# Altium PCB Audio-Beamformer_V1.0.PcbDoc (part 1 of 11)
Units mm, origin at the board's own origin, x right, y up, seen from the top; angles counter-clockwise.
Board outline 300 x 376 mm, 2 copper layers (Top Layer, Bottom Layer), stack 1.548 mm thick; 1137 components, 629 nets, 3569 pads, 2808 vias.
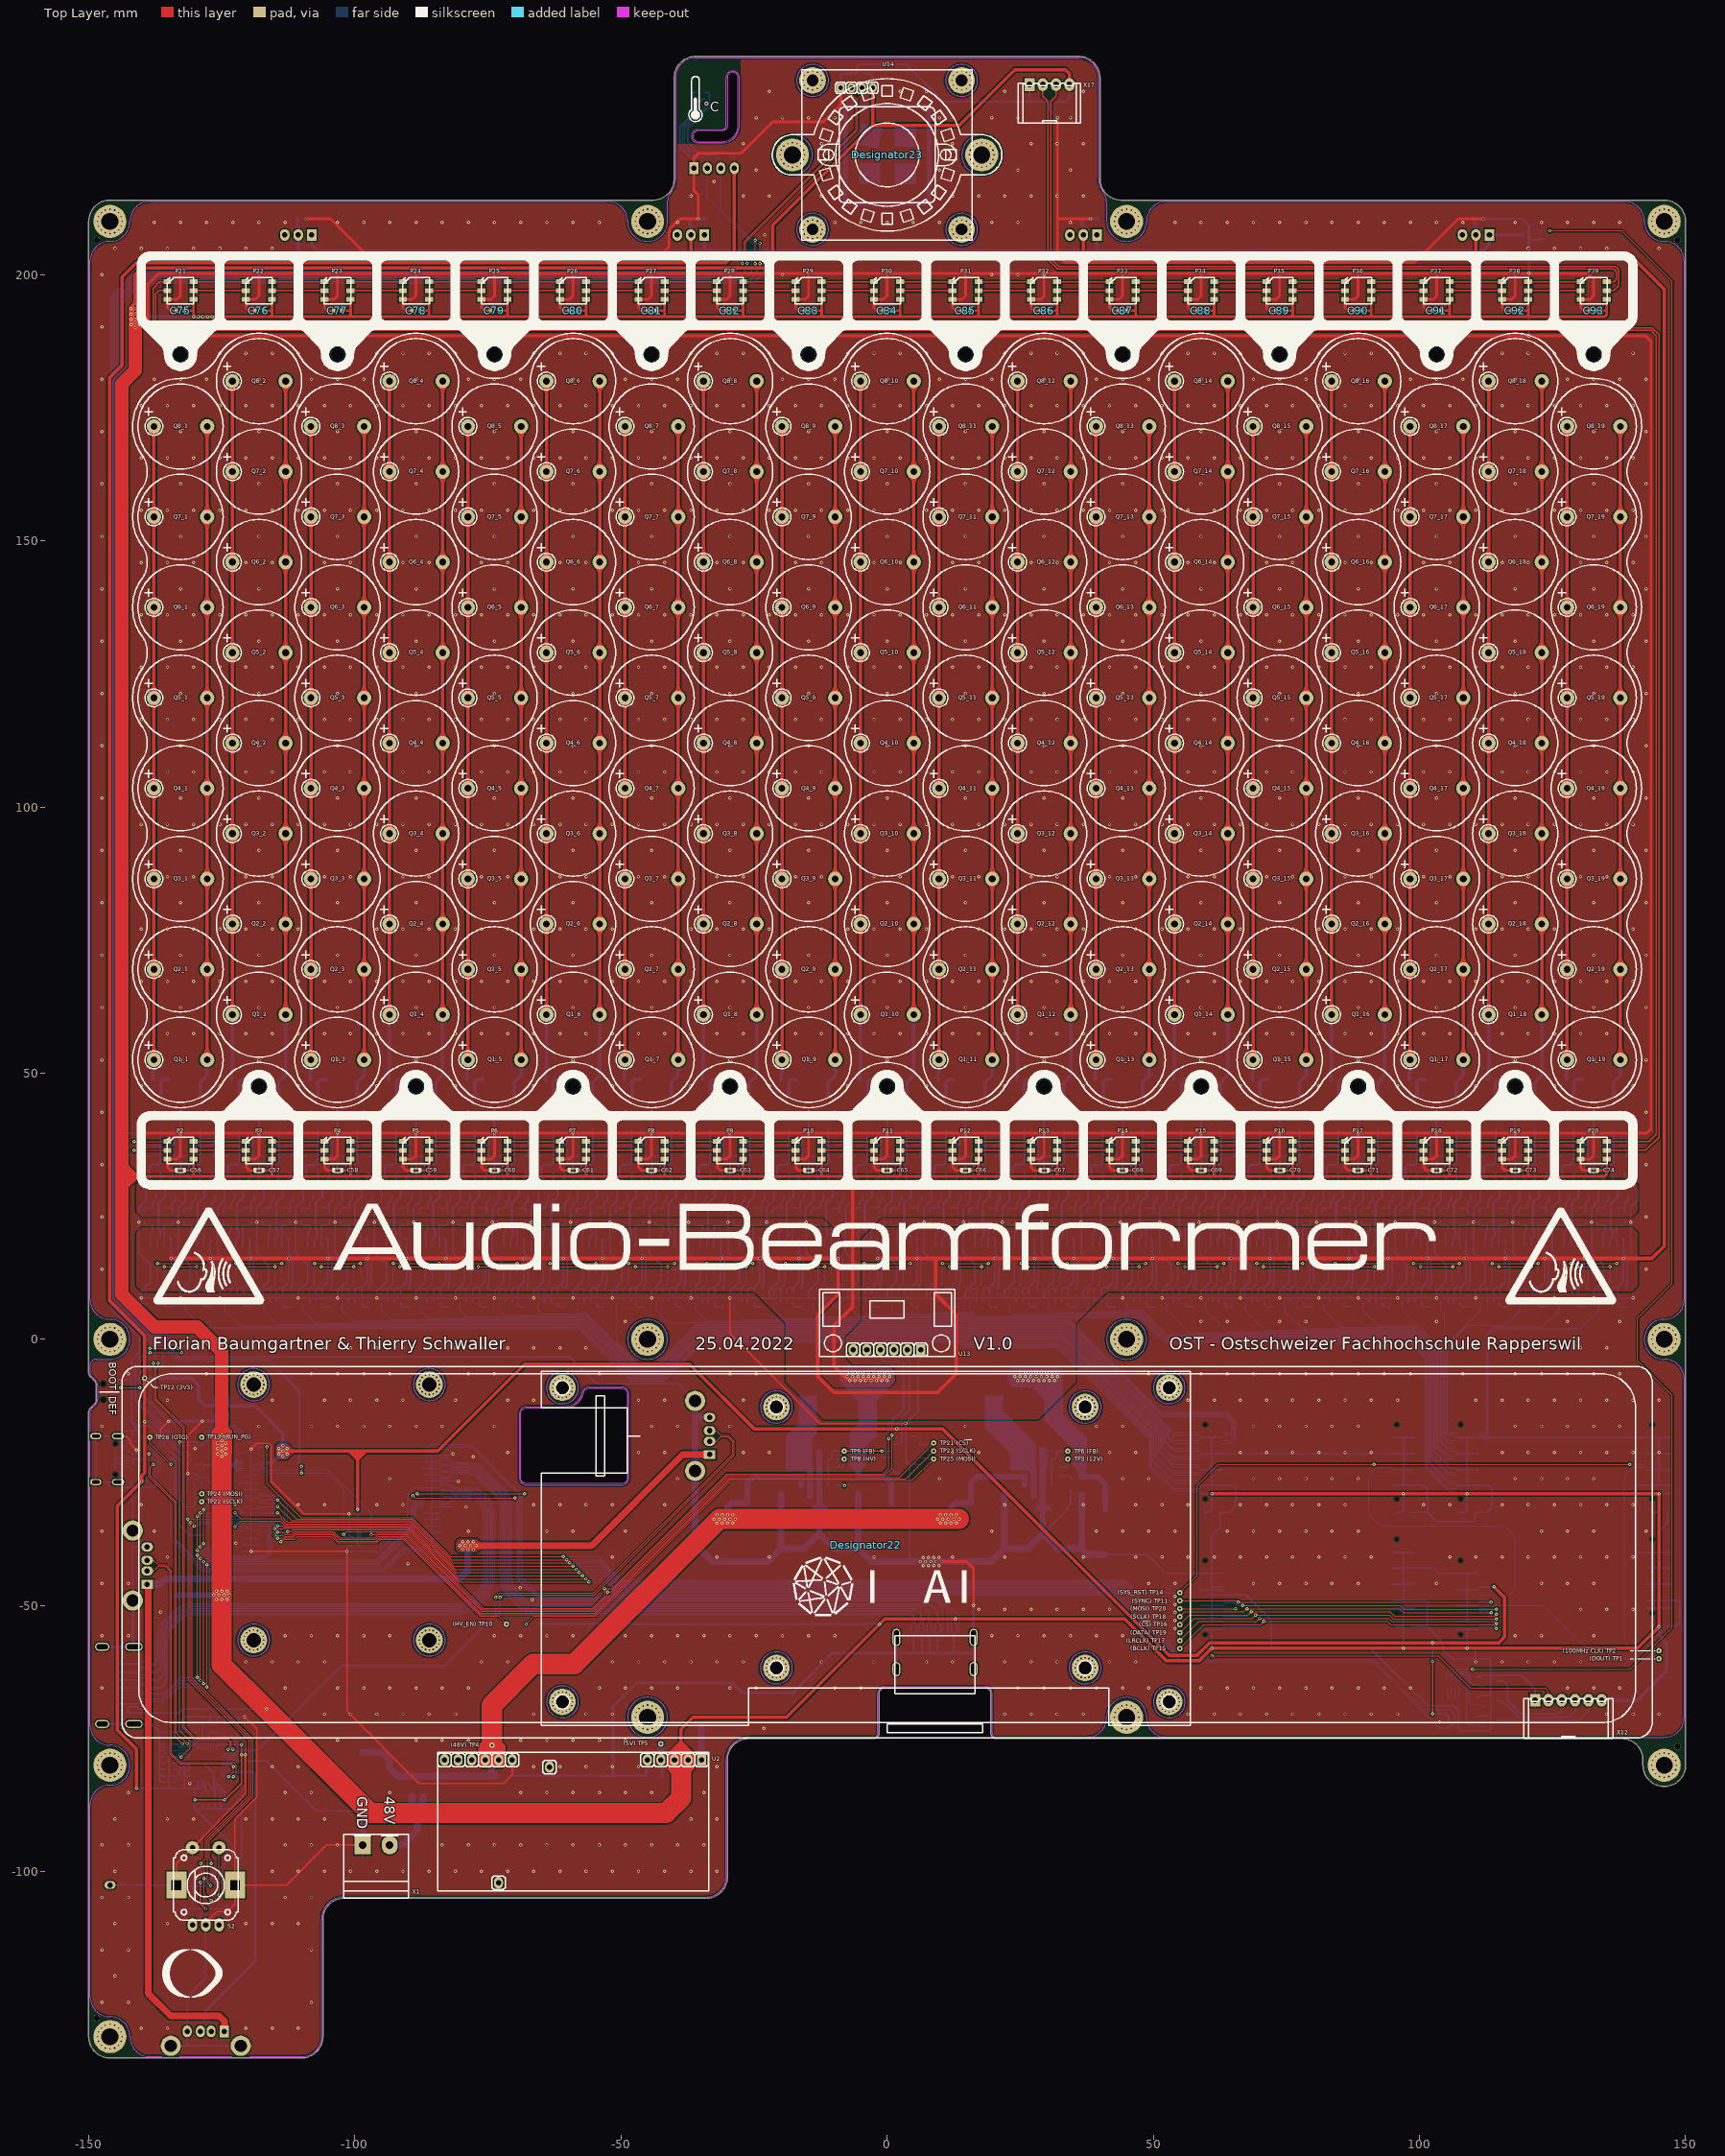
[diagram p0: Top Layer view]
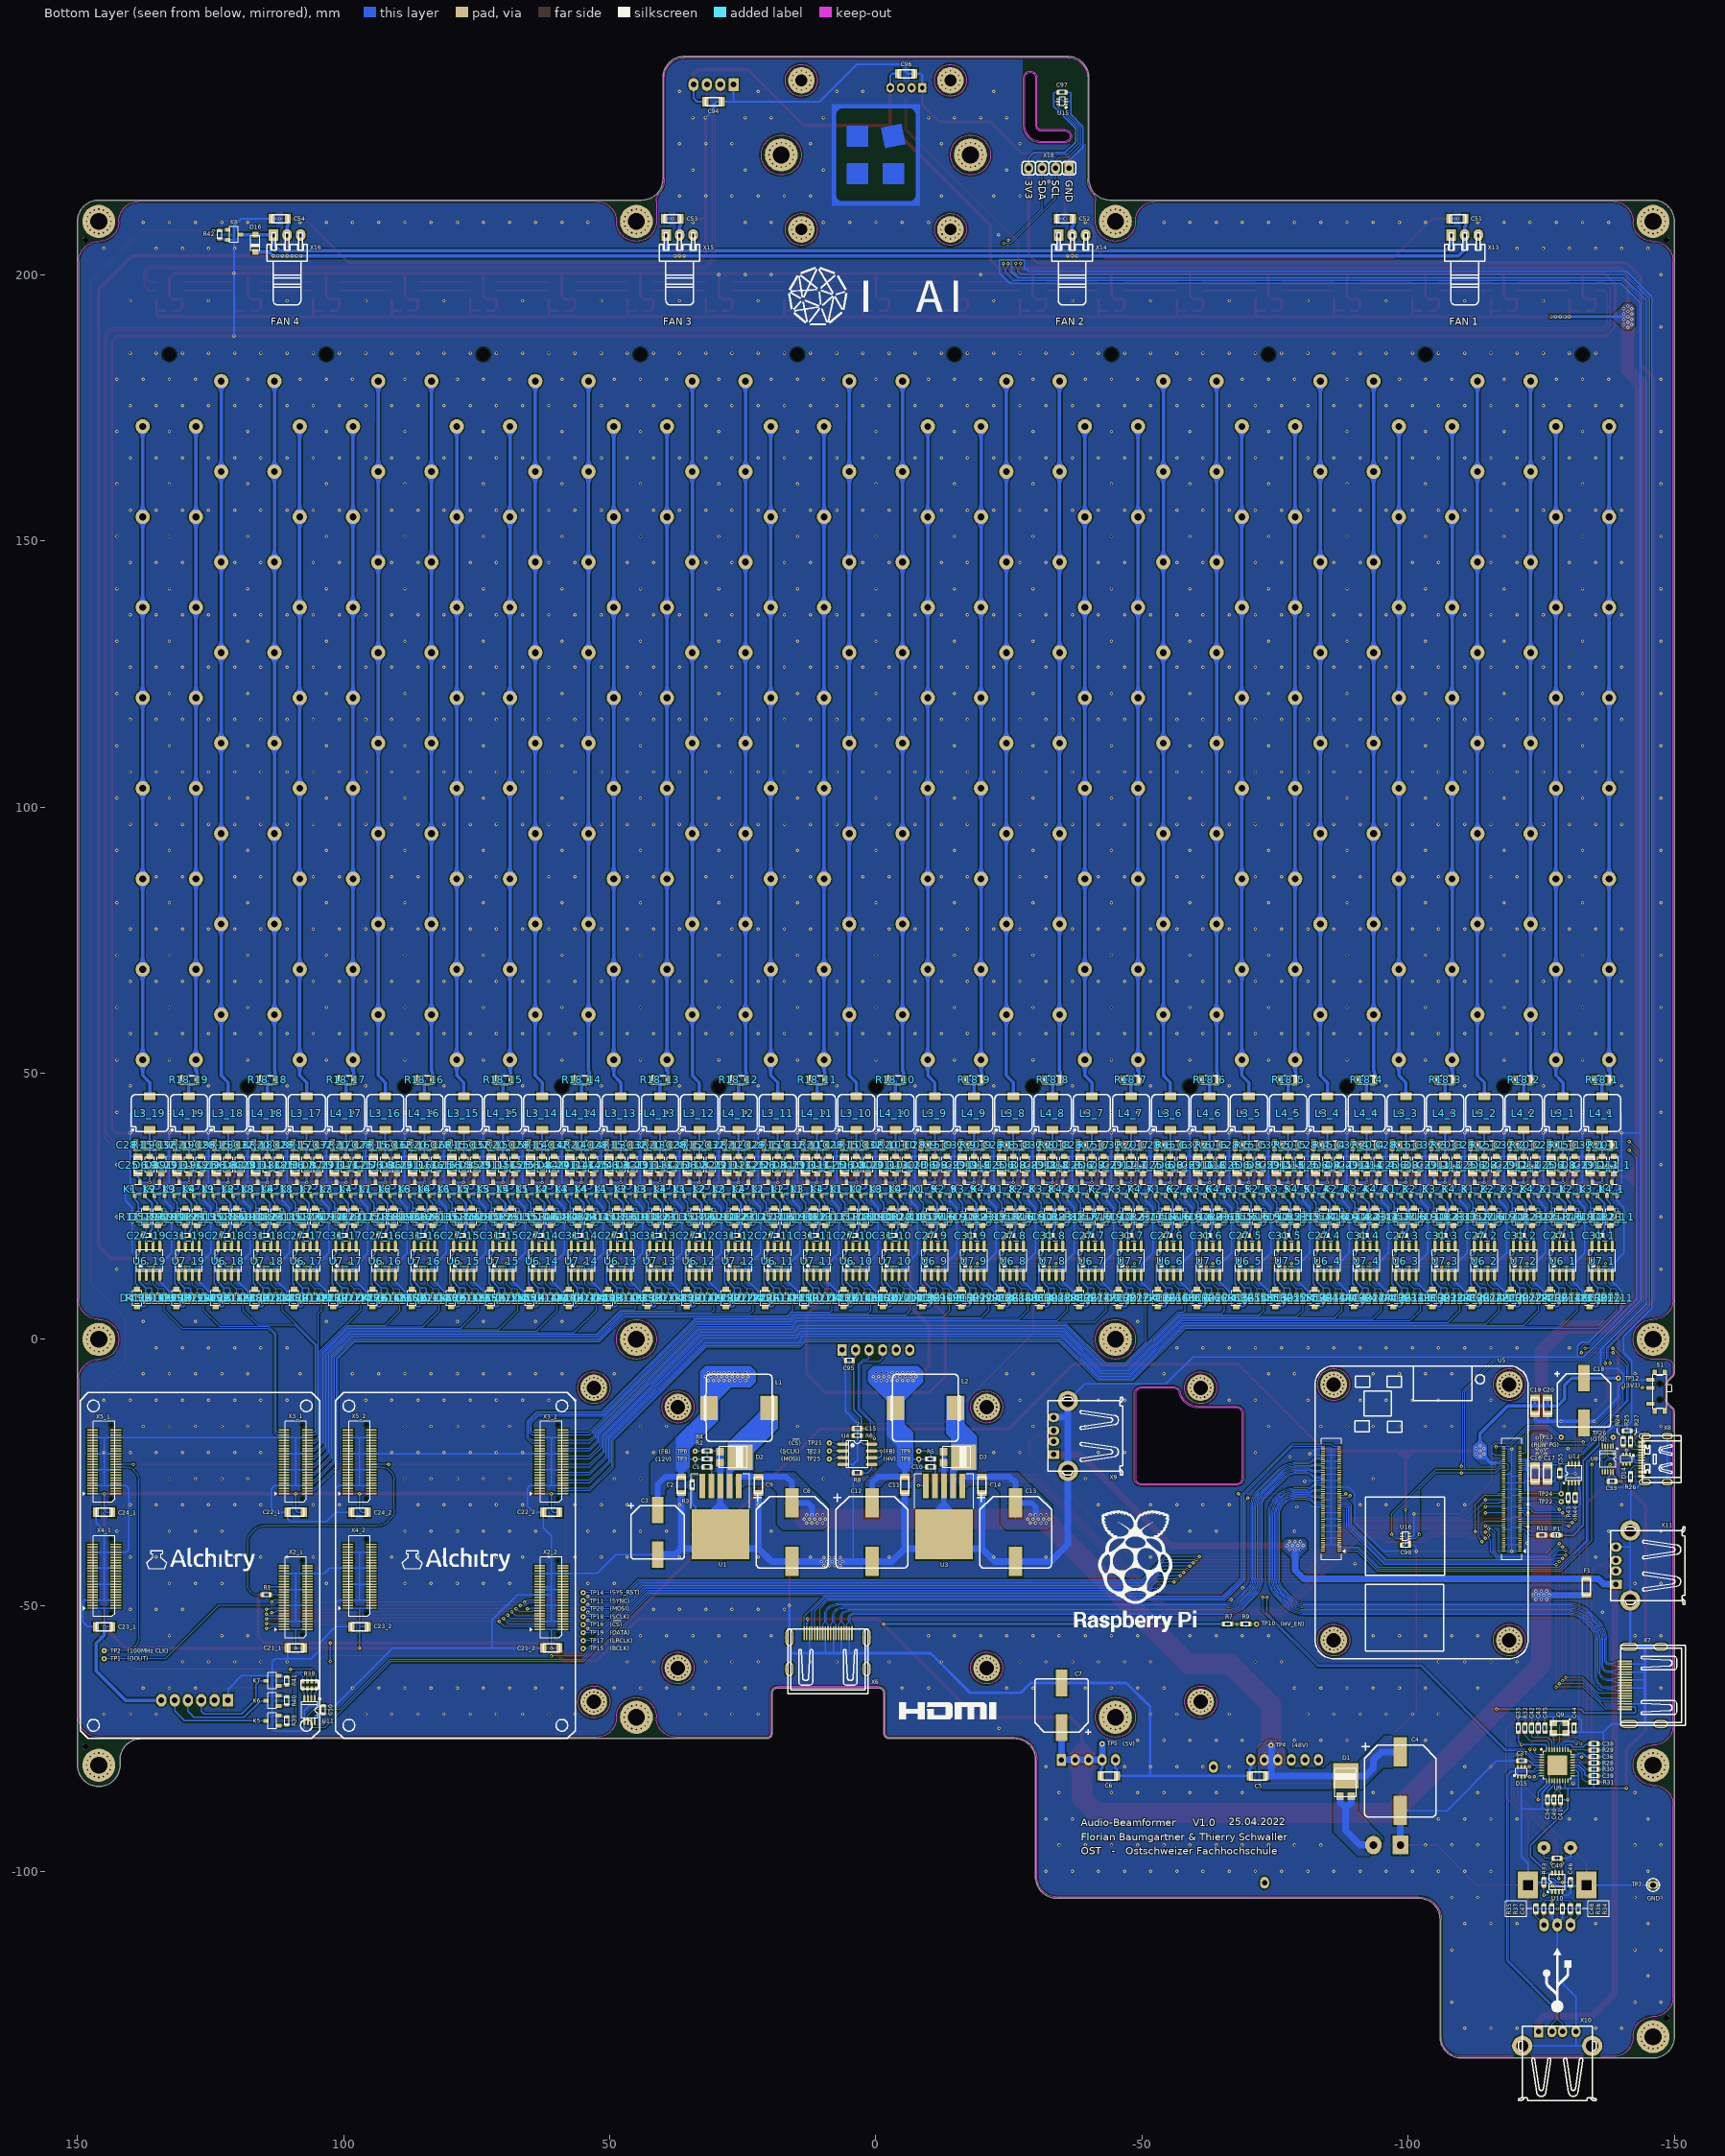
[diagram p1: Bottom Layer view, seen from below]

## Layer stack, top to bottom
Top Solder: solder mask 0.0102, Solder Resist, Dk 3.5
Top Layer: signal copper 0.0356
Dielectric1: dielectric 1.4766, FR-4, Dk 4.8
Bottom Layer: signal copper 0.0356
Bottom Solder: solder mask 0.0102, Solder Resist, Dk 3.5

## Board outline
-150,-131 -150,-13.725 cw(c-148.793,-13.725) -149.646,-12.871 -148.904,-12.129 ccw(c-149.757,-11.275) -148.55,-11.275 -148.55,-8.675 ccw(c-149.757,-8.675) -148.904,-7.821 -149.646,-7.079 cw(c-148.793,-6.225) -150,-6.225 -150,210 cw(c-146,210) -146,214 -44,214 ccw(c-44,218) -40,218 -40,237 cw(c-36,237) -36,241 36,241 cw(c36,237) 40,237 40,218 ccw(c44,218) 44,214 146,214 cw(c146,210) 150,210 150,-80 cw(c146,-80) 142,-80 142,-79 ccw(c138,-79) 138,-75 20.5,-75 cw(c20.5,-74) 19.5,-74 19.5,-66.5 ccw(c18.5,-66.5) 18.5,-65.5 -0.5,-65.5 ccw(c-0.5,-66.5) -1.5,-66.5 -1.5,-74 cw(c-2.5,-74) -2.5,-75 -26,-75 ccw(c-26,-79) -30,-79 -30,-101 cw(c-34,-101) -34,-105 -102,-105 ccw(c-102,-109) -106,-109 -106,-131 cw(c-110,-131) -110,-135 -146,-135 cw(c-146,-131)
cut-out: -35.5,227 ccw(c-35.5,226) -36.5,226 ccw(c-35.5,226) -35.5,225 -31,225 ccw(c-31,228) -28,228 -28,237 ccw(c-29,237) -29,238 ccw(c-29,237) -30,237 -30,228 cw(c-31,228) -31,227

## Design rules (kind name [scope] priority, off if disabled: settings)
Clearance Ploygon [InPoly] p1: gap=0.254 ignorepadtopadclearanceinfootprint=FALSE
Clearance [All] p2: gap=0.127 ignorepadtopadclearanceinfootprint=FALSE
ComponentClearance ComponentClearance_Connectors [HasFootprint('SMD Inductor 7x7x4.5 NP') OR HasFootprint('MEC Display (19454)') OR HasFootprint('THT USB-A (292303-1)') OR HasFootprint('SMD HDMI Horizontal') OR HasFootprint('MEC LED-Ring (COM-14967)')] p1: gap=0 collisioncheckmode=3 verticalgap=0 showdistances=FALSE
ComponentClearance ComponentClearance_Mechanical [(Identifier = 'Washer_M3_0.5mm') OR (Identifier = 'Spacer Bolts_m3_L14') OR (Identifier = 'Spacer Bolts_m3_bn_L24') OR (Identifier = 'Spacer Bolts_m3_L24') OR (Identifier = 'Transducer-Spacer') OR (Identifier = 'LED-Grid_Bottom') OR (Identifier = 'Frontpanel') OR (Identifier = 'Baseplate') OR (Identifier = 'Backpanel') OR (Identifier = 'Sidepanel_Left') OR (Identifier = 'Sidepanel_Right') OR (Identifier = 'Camera-Mount')] p2: gap=0 collisioncheckmode=3 verticalgap=0 showdistances=FALSE
ComponentClearance [All] p3: gap=0.2 collisioncheckmode=3 verticalgap=0.2 showdistances=TRUE
DiffPairsRouting [All] p1: maxlimit=0.254 minlimit=0.127 mostfreqgap=0.127 toplayer_minwidth=0.152 toplayer_maxwidth=0.381 toplayer_prefwidth=0.152 bottomlayer_minwidth=0.152 bottomlayer_maxwidth=0.381 bottomlayer_prefwidth=0.152 maxuncoupledlength=12.7
FabricationTestPointUsage TestPointUsage [All] p1: valid=0 allowmultiple=FALSE
FabricationTestpoint Testpoint [All] p1: side=3 testpointundercomponent=TRUE minsize=1.016 maxsize=2.54 preferedsize=1.524 minholesize=0 maxholesize=1.016 preferedholesize=0.813 testpointgrid=0.025 allowsidetop=TRUE allowsidebottom=TRUE usegrid=TRUE gridtolerance=0
HoleSize [All] p1: absolutevalues=TRUE maxlimit=25.4 minlimit=0.025 maxpercent=80.000 minpercent=20.000
PolygonConnect [All] p1: thpad.connectstyle=Relief thpad.reliefconductorwidth=0.254 thpad.reliefentries=4 thpad.polygonreliefangle="90 Angle" thpad.airgapwidth=0.254 smdpad.connectstyle=Relief smdpad.reliefconductorwidth=0.254 smdpad.reliefentries=4 smdpad.polygonreliefangle="90 Angle" smdpad.airgapwidth=0.254 via.connectstyle=Direct via.reliefconductorwidth=0.254 via.reliefentries=4 via.polygonreliefangle="90 Angle" via.airgapwidth=0.254
RoomDefinition Row-Driver2 [InComponentClass('Row-Driver2')] p1: confinementstyle=ConfineIn formatcopy=TRUE lockcomponents=FALSE outline -109.5,5 -109.5,200 -126.5,200 -126.5,5
RoomDefinition FPGA2 [InComponentClass('FPGA2')] p2: confinementstyle=ConfineIn formatcopy=TRUE lockcomponents=FALSE outline 102,-75.5 56,-75.5 56,-9.5 102,-9.5
RoomDefinition FPGA1 [InComponentClass('FPGA1')] p3: confinementstyle=ConfineIn formatcopy=TRUE lockcomponents=FALSE outline 150,-75.5 104,-75.5 104,-9.5 150,-9.5
RoomDefinition Row-Driver1 [InComponentClass('Row-Driver1')] p4: confinementstyle=ConfineIn formatcopy=TRUE lockcomponents=FALSE outline -124.25,5 -124.25,200 -141.25,200 -141.25,5
RoomDefinition Row-Driver15 [InComponentClass('Row-Driver15')] p5: confinementstyle=ConfineIn formatcopy=TRUE lockcomponents=FALSE outline 82.25,5 82.25,200 65.25,200 65.25,5
RoomDefinition Row-Driver19 [InComponentClass('Row-Driver19')] p6: confinementstyle=ConfineIn formatcopy=TRUE lockcomponents=FALSE outline 141.25,5 141.25,200 124.25,200 124.25,5
RoomDefinition Row-Driver18 [InComponentClass('Row-Driver18')] p7: confinementstyle=ConfineIn formatcopy=TRUE lockcomponents=FALSE outline 126.5,5 126.5,200 109.5,200 109.5,5
RoomDefinition Row-Driver17 [InComponentClass('Row-Driver17')] p8: confinementstyle=ConfineIn formatcopy=TRUE lockcomponents=FALSE outline 111.75,5 111.75,200 94.75,200 94.75,5
RoomDefinition Row-Driver16 [InComponentClass('Row-Driver16')] p9: confinementstyle=ConfineIn formatcopy=TRUE lockcomponents=FALSE outline 97,5 97,200 80,200 80,5
RoomDefinition Row-Driver14 [InComponentClass('Row-Driver14')] p10: confinementstyle=ConfineIn formatcopy=TRUE lockcomponents=FALSE outline 67.5,5 67.5,200 50.5,200 50.5,5
RoomDefinition Row-Driver13 [InComponentClass('Row-Driver13')] p11: confinementstyle=ConfineIn formatcopy=TRUE lockcomponents=FALSE outline 52.75,5 52.75,200 35.75,200 35.75,5
RoomDefinition Row-Driver12 [InComponentClass('Row-Driver12')] p12: confinementstyle=ConfineIn formatcopy=TRUE lockcomponents=FALSE outline 38,5 38,200 21,200 21,5
RoomDefinition Row-Driver11 [InComponentClass('Row-Driver11')] p13: confinementstyle=ConfineIn formatcopy=TRUE lockcomponents=FALSE outline 23.25,5 23.25,200 6.25,200 6.25,5
RoomDefinition Row-Driver10 [InComponentClass('Row-Driver10')] p14: confinementstyle=ConfineIn formatcopy=TRUE lockcomponents=FALSE outline 8.5,5 8.5,200 -8.5,200 -8.5,5
RoomDefinition Row-Driver9 [InComponentClass('Row-Driver9')] p15: confinementstyle=ConfineIn formatcopy=TRUE lockcomponents=FALSE outline -6.25,5 -6.25,200 -23.25,200 -23.25,5
RoomDefinition Row-Driver8 [InComponentClass('Row-Driver8')] p16: confinementstyle=ConfineIn formatcopy=TRUE lockcomponents=FALSE outline -21,5 -21,200 -38,200 -38,5
RoomDefinition Row-Driver7 [InComponentClass('Row-Driver7')] p17: confinementstyle=ConfineIn formatcopy=TRUE lockcomponents=FALSE outline -35.75,5 -35.75,200 -52.75,200 -52.75,5
RoomDefinition Row-Driver6 [InComponentClass('Row-Driver6')] p18: confinementstyle=ConfineIn formatcopy=TRUE lockcomponents=FALSE outline -50.5,5 -50.5,200 -67.5,200 -67.5,5
RoomDefinition Row-Driver5 [InComponentClass('Row-Driver5')] p19: confinementstyle=ConfineIn formatcopy=TRUE lockcomponents=FALSE outline -65.25,5 -65.25,200 -82.25,200 -82.25,5
RoomDefinition Row-Driver4 [InComponentClass('Row-Driver4')] p20: confinementstyle=ConfineIn formatcopy=TRUE lockcomponents=FALSE outline -80,5 -80,200 -97,200 -97,5
RoomDefinition Row-Driver3 [InComponentClass('Row-Driver3')] p21: confinementstyle=ConfineIn formatcopy=TRUE lockcomponents=FALSE outline -94.75,5 -94.75,200 -111.75,200 -111.75,5
RoutingVias [All] p1: holewidth=0.711 width=1.27 viastyle="Through Hole" minholewidth=0.711 minwidth=1.27 maxholewidth=0.711 maxwidth=1.27
SolderMaskExpansion [All] p1: expansion=0.102 istentingtop=FALSE
Width [All] p1: maxlimit=500 minlimit=0.152 preferedwidth=0.254
25 further rules are at their usual default settings.

## Classes and differential pairs
channel class Audio-Beamformer_FPGA_V1.0: FPGA1 FPGA2
channel class Audio-Beamformer_Driver_V1.0: Row-Driver1 Row-Driver2 Row-Driver3 Row-Driver4 Row-Driver5 Row-Driver6 Row-Driver7 Row-Driver8 Row-Driver9 Row-Driver10 Row-Driver11 Row-Driver12 Row-Driver13 Row-Driver14 Row-Driver15 Row-Driver16 Row-Driver17 Row-Driver18 Row-Driver19
component class Row-Driver19: C25_19 C26_19 C27_19 C28_19 C29_19 C30_19 C31_19 C32_19 D4_19 D5_19 D6_19 D7_19 D8_19 D9_19 D10_19 D11_19 D12_19 D13_19 K1_19 K2_19 K3_19 K4_19 L3_19 L4_19 Q1_19 Q2_19 Q3_19 Q4_19 Q5_19 Q6_19 Q7_19 Q8_19 R11_19 R12_19 R13_19 R14_19 R15_19 R16_19 R17_19 R18_19 R19_19 R20_19 R21_19 R22_19 R23_19 U6_19 U7_19
component class Row-Driver18: C25_18 C26_18 C27_18 C28_18 C29_18 C30_18 C31_18 C32_18 D4_18 D5_18 D6_18 D7_18 D8_18 D9_18 D10_18 D11_18 D12_18 D13_18 K1_18 K2_18 K3_18 K4_18 L3_18 L4_18 Q1_18 Q2_18 Q3_18 Q4_18 Q5_18 Q6_18 Q7_18 Q8_18 R11_18 R12_18 R13_18 R14_18 R15_18 R16_18 R17_18 R18_18 R19_18 R20_18 R21_18 R22_18 R23_18 U6_18 U7_18
component class Row-Driver17: C25_17 C26_17 C27_17 C28_17 C29_17 C30_17 C31_17 C32_17 D4_17 D5_17 D6_17 D7_17 D8_17 D9_17 D10_17 D11_17 D12_17 D13_17 K1_17 K2_17 K3_17 K4_17 L3_17 L4_17 Q1_17 Q2_17 Q3_17 Q4_17 Q5_17 Q6_17 Q7_17 Q8_17 R11_17 R12_17 R13_17 R14_17 R15_17 R16_17 R17_17 R18_17 R19_17 R20_17 R21_17 R22_17 R23_17 U6_17 U7_17
component class Row-Driver16: C25_16 C26_16 C27_16 C28_16 C29_16 C30_16 C31_16 C32_16 D4_16 D5_16 D6_16 D7_16 D8_16 D9_16 D10_16 D11_16 D12_16 D13_16 K1_16 K2_16 K3_16 K4_16 L3_16 L4_16 Q1_16 Q2_16 Q3_16 Q4_16 Q5_16 Q6_16 Q7_16 Q8_16 R11_16 R12_16 R13_16 R14_16 R15_16 R16_16 R17_16 R18_16 R19_16 R20_16 R21_16 R22_16 R23_16 U6_16 U7_16
component class Row-Driver15: C25_15 C26_15 C27_15 C28_15 C29_15 C30_15 C31_15 C32_15 D4_15 D5_15 D6_15 D7_15 D8_15 D9_15 D10_15 D11_15 D12_15 D13_15 K1_15 K2_15 K3_15 K4_15 L3_15 L4_15 Q1_15 Q2_15 Q3_15 Q4_15 Q5_15 Q6_15 Q7_15 Q8_15 R11_15 R12_15 R13_15 R14_15 R15_15 R16_15 R17_15 R18_15 R19_15 R20_15 R21_15 R22_15 R23_15 U6_15 U7_15
component class Row-Driver14: C25_14 C26_14 C27_14 C28_14 C29_14 C30_14 C31_14 C32_14 D4_14 D5_14 D6_14 D7_14 D8_14 D9_14 D10_14 D11_14 D12_14 D13_14 K1_14 K2_14 K3_14 K4_14 L3_14 L4_14 Q1_14 Q2_14 Q3_14 Q4_14 Q5_14 Q6_14 Q7_14 Q8_14 R11_14 R12_14 R13_14 R14_14 R15_14 R16_14 R17_14 R18_14 R19_14 R20_14 R21_14 R22_14 R23_14 U6_14 U7_14
component class Row-Driver13: C25_13 C26_13 C27_13 C28_13 C29_13 C30_13 C31_13 C32_13 D4_13 D5_13 D6_13 D7_13 D8_13 D9_13 D10_13 D11_13 D12_13 D13_13 K1_13 K2_13 K3_13 K4_13 L3_13 L4_13 Q1_13 Q2_13 Q3_13 Q4_13 Q5_13 Q6_13 Q7_13 Q8_13 R11_13 R12_13 R13_13 R14_13 R15_13 R16_13 R17_13 R18_13 R19_13 R20_13 R21_13 R22_13 R23_13 U6_13 U7_13
component class Row-Driver12: C25_12 C26_12 C27_12 C28_12 C29_12 C30_12 C31_12 C32_12 D4_12 D5_12 D6_12 D7_12 D8_12 D9_12 D10_12 D11_12 D12_12 D13_12 K1_12 K2_12 K3_12 K4_12 L3_12 L4_12 Q1_12 Q2_12 Q3_12 Q4_12 Q5_12 Q6_12 Q7_12 Q8_12 R11_12 R12_12 R13_12 R14_12 R15_12 R16_12 R17_12 R18_12 R19_12 R20_12 R21_12 R22_12 R23_12 U6_12 U7_12
component class Row-Driver11: C25_11 C26_11 C27_11 C28_11 C29_11 C30_11 C31_11 C32_11 D4_11 D5_11 D6_11 D7_11 D8_11 D9_11 D10_11 D11_11 D12_11 D13_11 K1_11 K2_11 K3_11 K4_11 L3_11 L4_11 Q1_11 Q2_11 Q3_11 Q4_11 Q5_11 Q6_11 Q7_11 Q8_11 R11_11 R12_11 R13_11 R14_11 R15_11 R16_11 R17_11 R18_11 R19_11 R20_11 R21_11 R22_11 R23_11 U6_11 U7_11
component class Row-Driver10: C25_10 C26_10 C27_10 C28_10 C29_10 C30_10 C31_10 C32_10 D4_10 D5_10 D6_10 D7_10 D8_10 D9_10 D10_10 D11_10 D12_10 D13_10 K1_10 K2_10 K3_10 K4_10 L3_10 L4_10 Q1_10 Q2_10 Q3_10 Q4_10 Q5_10 Q6_10 Q7_10 Q8_10 R11_10 R12_10 R13_10 R14_10 R15_10 R16_10 R17_10 R18_10 R19_10 R20_10 R21_10 R22_10 R23_10 U6_10 U7_10
component class Row-Driver9: C25_9 C26_9 C27_9 C28_9 C29_9 C30_9 C31_9 C32_9 D4_9 D5_9 D6_9 D7_9 D8_9 D9_9 D10_9 D11_9 D12_9 D13_9 K1_9 K2_9 K3_9 K4_9 L3_9 L4_9 Q1_9 Q2_9 Q3_9 Q4_9 Q5_9 Q6_9 Q7_9 Q8_9 R11_9 R12_9 R13_9 R14_9 R15_9 R16_9 R17_9 R18_9 R19_9 R20_9 R21_9 R22_9 R23_9 U6_9 U7_9
component class Row-Driver8: C25_8 C26_8 C27_8 C28_8 C29_8 C30_8 C31_8 C32_8 D4_8 D5_8 D6_8 D7_8 D8_8 D9_8 D10_8 D11_8 D12_8 D13_8 K1_8 K2_8 K3_8 K4_8 L3_8 L4_8 Q1_8 Q2_8 Q3_8 Q4_8 Q5_8 Q6_8 Q7_8 Q8_8 R11_8 R12_8 R13_8 R14_8 R15_8 R16_8 R17_8 R18_8 R19_8 R20_8 R21_8 R22_8 R23_8 U6_8 U7_8
component class Row-Driver7: C25_7 C26_7 C27_7 C28_7 C29_7 C30_7 C31_7 C32_7 D4_7 D5_7 D6_7 D7_7 D8_7 D9_7 D10_7 D11_7 D12_7 D13_7 K1_7 K2_7 K3_7 K4_7 L3_7 L4_7 Q1_7 Q2_7 Q3_7 Q4_7 Q5_7 Q6_7 Q7_7 Q8_7 R11_7 R12_7 R13_7 R14_7 R15_7 R16_7 R17_7 R18_7 R19_7 R20_7 R21_7 R22_7 R23_7 U6_7 U7_7
component class FPGA2: C21_2 C22_2 C23_2 C24_2 X2_2 X3_2 X4_2 X5_2
component class FPGA1: C21_1 C22_1 C23_1 C24_1 X2_1 X3_1 X4_1 X5_1
component class Row-Driver6: C25_6 C26_6 C27_6 C28_6 C29_6 C30_6 C31_6 C32_6 D4_6 D5_6 D6_6 D7_6 D8_6 D9_6 D10_6 D11_6 D12_6 D13_6 K1_6 K2_6 K3_6 K4_6 L3_6 L4_6 Q1_6 Q2_6 Q3_6 Q4_6 Q5_6 Q6_6 Q7_6 Q8_6 R11_6 R12_6 R13_6 R14_6 R15_6 R16_6 R17_6 R18_6 R19_6 R20_6 R21_6 R22_6 R23_6 U6_6 U7_6
component class Row-Driver5: C25_5 C26_5 C27_5 C28_5 C29_5 C30_5 C31_5 C32_5 D4_5 D5_5 D6_5 D7_5 D8_5 D9_5 D10_5 D11_5 D12_5 D13_5 K1_5 K2_5 K3_5 K4_5 L3_5 L4_5 Q1_5 Q2_5 Q3_5 Q4_5 Q5_5 Q6_5 Q7_5 Q8_5 R11_5 R12_5 R13_5 R14_5 R15_5 R16_5 R17_5 R18_5 R19_5 R20_5 R21_5 R22_5 R23_5 U6_5 U7_5
net class LI[19..1]: LI1 LI2 LI3 LI4 LI5 LI6 LI7 LI8 LI9 LI10 LI11 LI12 LI13 LI14 LI15 LI16 LI17 LI18 LI19
net class HI[19..1]: HI1 HI2 HI3 HI4 HI5 HI6 HI7 HI8 HI9 HI10 HI11 HI12 HI13 HI14 HI15 HI16 HI17 HI18 HI19
component class Row-Driver4: C25_4 C26_4 C27_4 C28_4 C29_4 C30_4 C31_4 C32_4 D4_4 D5_4 D6_4 D7_4 D8_4 D9_4 D10_4 D11_4 D12_4 D13_4 K1_4 K2_4 K3_4 K4_4 L3_4 L4_4 Q1_4 Q2_4 Q3_4 Q4_4 Q5_4 Q6_4 Q7_4 Q8_4 R11_4 R12_4 R13_4 R14_4 R15_4 R16_4 R17_4 R18_4 R19_4 R20_4 R21_4 R22_4 R23_4 U6_4 U7_4
component class Row-Driver3: C25_3 C26_3 C27_3 C28_3 C29_3 C30_3 C31_3 C32_3 D4_3 D5_3 D6_3 D7_3 D8_3 D9_3 D10_3 D11_3 D12_3 D13_3 K1_3 K2_3 K3_3 K4_3 L3_3 L4_3 Q1_3 Q2_3 Q3_3 Q4_3 Q5_3 Q6_3 Q7_3 Q8_3 R11_3 R12_3 R13_3 R14_3 R15_3 R16_3 R17_3 R18_3 R19_3 R20_3 R21_3 R22_3 R23_3 U6_3 U7_3
component class Row-Driver2: C25_2 C26_2 C27_2 C28_2 C29_2 C30_2 C31_2 C32_2 D4_2 D5_2 D6_2 D7_2 D8_2 D9_2 D10_2 D11_2 D12_2 D13_2 K1_2 K2_2 K3_2 K4_2 L3_2 L4_2 Q1_2 Q2_2 Q3_2 Q4_2 Q5_2 Q6_2 Q7_2 Q8_2 R11_2 R12_2 R13_2 R14_2 R15_2 R16_2 R17_2 R18_2 R19_2 R20_2 R21_2 R22_2 R23_2 U6_2 U7_2
component class Row-Driver1: C25_1 C26_1 C27_1 C28_1 C29_1 C30_1 C31_1 C32_1 D4_1 D5_1 D6_1 D7_1 D8_1 D9_1 D10_1 D11_1 D12_1 D13_1 K1_1 K2_1 K3_1 K4_1 L3_1 L4_1 Q1_1 Q2_1 Q3_1 Q4_1 Q5_1 Q6_1 Q7_1 Q8_1 R11_1 R12_1 R13_1 R14_1 R15_1 R16_1 R17_1 R18_1 R19_1 R20_1 R21_1 R22_1 R23_1 U6_1 U7_1
differential pair USBUP: +USBUP_P -USBUP_N
differential pair USB: +USB_P -USB_N
differential pair USBDN: +USBDN_P -USBDN_N
differential pair USB_TCH: +USB_TCH_P -USB_TCH_N
differential pair USB_CAM: +USB_CAM_P -USB_CAM_N
differential pair USB_ACC2: +USB_ACC2_P -USB_ACC2_N
differential pair USB_ACC1: +USB_ACC1_P -USB_ACC1_N
differential pair HDMI1_D2: +HDMI1_D2_P -HDMI1_D2_N
differential pair HDMI1_D1: +HDMI1_D1_P -HDMI1_D1_N
differential pair HDMI1_D0: +HDMI1_D0_P -HDMI1_D0_N
differential pair HDMI1_CK: +HDMI1_CK_P -HDMI1_CK_N
differential pair HDMI0_D2: +HDMI0_D2_P -HDMI0_D2_N
differential pair HDMI0_D1: +HDMI0_D1_P -HDMI0_D1_N
differential pair HDMI0_D0: +HDMI0_D0_P -HDMI0_D0_N
differential pair HDMI0_CK: +HDMI0_CK_P -HDMI0_CK_N
